# KiCad board ECUGDI.kicad_pcb (continued)
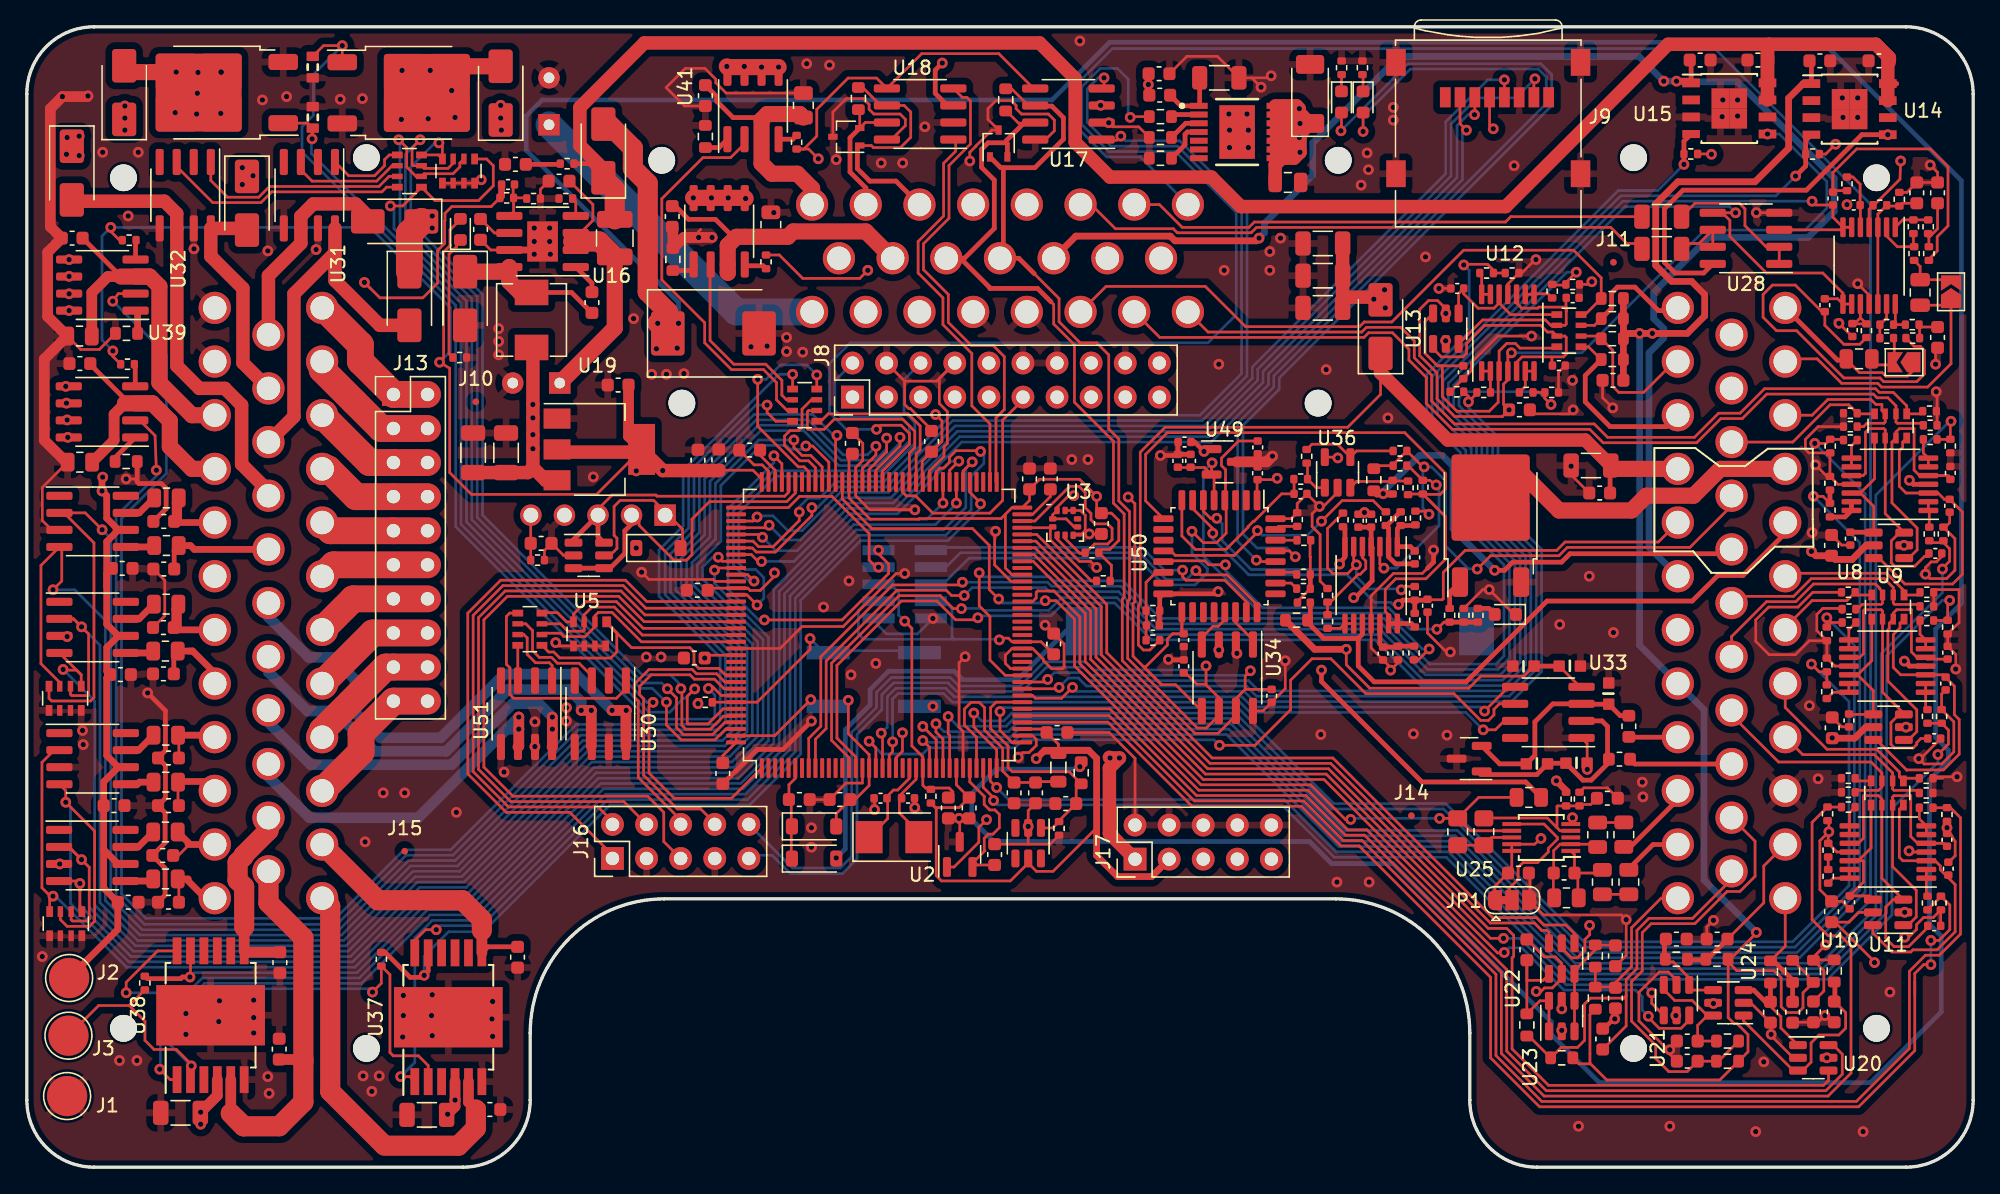
[diagram p0: board, top side]
## Routing (per net, layer and track width the routed paths; a pad name or vN(x,y) marks a point on that pad's centre or on a via; arc(x,y) is an arc through that point) (continued)
/WDO/CAN_RX: length 3.3
  Top w0.2: U34.4 87.53,39.49 88.36,40.31 88.75,40.31 89.25,40.81 U50.21
/WDO/CAN_TX: length 2.9
  Top w0.2: U34.1 91.34,39.3 90.05,40.6 U50.22
/WDO/heater_pwm: length 26.4
  Top w0.2: R24.2 105.58,40.63 v1(105.05,40.1) 105.1,40.05 105.1,39.8 ; v1(89.29,44.9) 88.05,44.9 87.75,45.2 84.74,45.2 84.68,45.14
  Top w0.35: R21.2 R24.2
  Bottom w0.2: v1(105.05,40.1) 103.05,40.1 101.45,41.7 92.07,41.7 89.29,44.48 v1(89.29,44.9)
/WDO/Ip_dac: length 19.1
  Top w0.2: 84.68,45.94 85.23,45.94 85.56,45.6 89.95,45.6 91.68,47.33 v1(91.68,47.45) ; v1(96.45,48.15) 97.99,49.69 100.3,49.69 101.14,48.85 R7.1
  Bottom w0.2: v1(91.68,47.45) 92.03,47.1 95.4,47.1 v1(96.45,48.15)
/WDO/Ip_sense: length 14.3
  Top w0.2: R25.2 94.41,51.27 C23.1 93.48,50.19 91.44,48.15 91.39,48.15 90.98,47.74 90.98,47.69 89.34,46.05 87.05,46.05 86.05,47.05 U50.8
/WDO/LED_BLUE: length 65.7
  Top w0.2: v1(91.6,45.25) 91.71,45.14 U50.28 ; D5.2 v1(99.55,77.2) 99.55,77.35
  Bottom w0.2: 99.5,77.25 v1(99.55,77.2) 99.55,78.33 103.07,81.85 112.61,81.85 113.2,81.26 113.2,79.29 92.9,58.99 92.9,58.16 90.2,55.46 90.2,46.65 v1(91.6,45.25)
/WDO/LED_GREEN: length 69.8
  Top w0.2: 97.94,77.56 97.9,77.52 v1(97.9,77.25) 97.94,77.29 D4.2 ; v1(94.5,45.5) 94.06,45.94 U50.29
  Bottom w0.2: v1(97.9,77.25) 102.9,82.25 112.8,82.25 113.6,81.45 113.6,79.12 93.3,58.82 93.3,57.99 90.6,55.29 90.6,47.2 91.65,46.15 93.85,46.15 v1(94.5,45.5)
/WDO/LSU_Un_sense: length 2.1
  Top w0.2: U35.9 U35.8 97.84,40.17 R27.1
/WDO/Nernst_esr_drive_42: length 1.7
  Top w0.2: U50.26 94.19,43.54 R16.2
/WDO/Nernst_esr_drive_49: length 1.6
  Top w0.2: R15.2 93.03,46.73 U50.30
/WDO/Nernst_esr_drive_adv: length 1.6
  Top w0.2: R17.2 94.45,44.34 U50.27
/WDO/nRESET_1: length 38.8
  Top w0.2: v1(86.8,47.4) 86.8,47.1 ; v1(86.8,47.4) 87.65,46.55 88.64,46.55 89.35,47.26 89.35,49.61 U50.4 89.3,49.76 89.3,51.29 89.3,51.29 89.3,51.99 89,52.3 89,52.85 90.28,54.13 C26.1 ; v1(86.8,47.4) 86.7,47.4
  Bottom w0.2: v1(86.8,47.4) 86.8,45.75 87.95,44.6 87.95,44.32 87.03,43.4 84.72,43.4 82.72,45.4 70.2,45.4 68.25,43.45 J7.5
/WDO/SWCLK_1: length 27.6
  Top w0.2: v1(87.1,44.46) 87.41,44.15 89.41,44.15 91.65,41.91 U50.24 91.65,41.35
  Bottom w0.2: v1(87.1,44.46) 86.8,44.46 86.8,44.21 86.39,43.8 84.88,43.8 82.88,45.8 69.55,45.8 68.47,44.72 J7.3
/WDO/SWDIO_1: length 26.3
  Top w0.2: v1(86.1,44.5) 86.1,44.01 86.36,43.75 89.25,43.75 90.85,42.15 U50.23
  Bottom w0.2: v1(86.1,44.5) 84.75,44.5 83.05,46.2 67.56,46.2 J7.1
/WDO/Un_sense: length 16.9
  Top w0.2: v1(88.65,48.37) 88.18,48.37 87.65,48.9 U50.6
  Top w0.35: R29.2 98.2,47.59 U35.7 98.2,45.5 v1(97.8,44.95) 97.85,45.15
  Bottom w0.2: v1(97.8,44.95) 97.4,44.55 91.2,44.55 89.05,46.7 89.05,47.97 v1(88.65,48.37)
/WDO/Vm: length 50.5
  Top w0.2: R8.2 102.95,50.18 R20.2 ; R8.2 104.03,50.15 105.29,50.15 105.7,50.56 105.7,51.7 102.65,54.75 84.97,54.75 83.35,53.13 83.35,49.66 84.68,48.34 ; R8.2 105.11,49.07 ; U35.13 101.45,41.18 101.2,41.43 101.2,43.07 101.98,43.86 104.23,43.86 105.7,45.33 105.7,48.48 104.39,49.79 ; 103.4,40.27 103.4,40.27
  Top w0.35: U35.13 U35.14 103.14,40.53 103.4,40.27
Net-(BT1-+): length 31.8
  Bottom w0.35: BT1.1 77.41,39.95 73.8,36.34 69.71,36.34 69.07,36.98 64.21,36.98 62.82,35.59 62.82,34.46 60.97,32.61 60.97,23.73 v1(60.3,23.05)
Net-(C19-Pad1): length 4.2
  Top w0.35: C19.1 103.08,46.25 U35.1 102.1,47.58 R9.1 103.4,47.83 R11.2
Net-(C22-Pad2): length 5.3
  Top w0.2: R17.1 95.62,45.48 95.6,45.5 95.6,46.68 R15.1 ; R16.1 94.66,42.17 C22.2
  Top w0.35: 95.62,44 R17.1 R16.1
Net-(C103-Pad1): length 2.9
  Top w0.35: R102.2 39.69,74.75 36.9,74.75
Net-(C131-Pad1): length 4
  Top w0.2: 143.35,65.98 143.18,66.15 C131.1 141.05,67.14 R139.2
Net-(C132-Pad1): length 3.6
  Top w0.2: 139.07,61.65 139.12,61.6 139.12,59.8 137.45,59.8 137.4,59.85
Net-(C133-Pad2): length 3.8
  Top w0.2: 141.7,69.3 141.7,69.54 R143.1 ; 141.7,69.3 142.35,69.95 C133.2 ; 141.7,69.3 R145.2
Net-(C134-Pad2): length 2.6
  Top w0.2: 141.02,61.7 141.01,61.71 141.01,62.76 R144.1 141.15,62.63 C134.2
Net-(C135-Pad1): length 20
  Top w0.2: R147.2 134.66,72.79 C135.1 134.55,74.13 136.32,75.9 141.8,75.9 143.12,74.58 143.12,70.16 142.32,69.35 142.32,68.29 141.7,67.67 R145.1
Net-(C136-Pad1): length 30.5
  Top w0.2: 140,61.7 140,61.6 ; 135.8,61.34 135.5,61.34 ; 135.5,61.34 135.36,61.34 133.95,62.75 C136.1 133.73,63.77 131.75,65.75 130.05,65.75 129.35,65.05 129.35,63.35 130.35,62.35 131.85,62.35 135.37,58.83 138.06,58.83 138.34,58.55 140.8,58.55 141.38,59.13 141.38,60.88 141.07,61.18 140.61,61.18 R146.1 ; 135.5,61.34 136.55,61.34 R148.2
Net-(D3-A): length 1.4
  Top w0.35: R21.1 108.91,41.65 D3.2
Net-(D4-K): length 1.3
  Top w0.2: D4.1 97.94,81.43 R33.2
Net-(D5-K): length 1.3
  Top w0.2: R34.2 99.55,81.39 D5.1
Net-(D17-K): length 7.7
  Top w0.2: U4.6 57.25,28.98 56.78,28.51 56.78,27.33 56.95,27.15 56.95,22.73 57.21,22.46
Net-(D19-K): length 9.2
  Top w0.2: R45.2 31.45,60.64 31.45,68.05 32,68.6 32,69.16
Net-(D24-A): length 11.8
  Top w0.2: U5.5 43.45,45.6 43.96,46.11 43.96,46.89 43.75,47.1 43.75,49.25 44.2,49.7 46.7,49.7 48.85,47.55 48.85,46.35
Net-(D28-K): length 11.7
  Top w0.2: 35.9,67.15 35.94,67.11 35.94,67.1
  Top w0.35: L4.1 40.58,65.2 C109.2
  Top w1.2: L4.1 36.75,65.2 35.94,66.01 35.94,67.1 35.6,66.75 D28.1
Net-(JP1-C): length 10.7
  Top w0.2: U25.6 113.03,25.58 114.03,24.58 114.03,24.44 113.35,23.77 113.35,23.5 112.55,22.7 111.46,22.7 111.1,22.34 111.1,21.46 110.43,20.78 110.43,19.82
Net-(Q1-G): length 2.3
  Top w0.35: Q1.1 106,42.84 R24.1
Net-(R23-Pad1): length 2.8
  Top w0.2: R23.1 95.41,52.42 R25.1 96.05,50.65 U36.1
Net-(R121-Pad1): length 2
  Top w0.2: R121.1 118.96,25.69 R125.2
Net-(R122-Pad1): length 2
  Top w0.2: R126.2 R122.1
Net-(R141-Pad1): length 2.7
  Top w0.2: U27.1 139.75,70.61 R141.1 R143.2
Net-(R142-Pad1): length 2.5
  Top w0.2: R144.2 R142.1 139.2,62.93 U27.14
Net-(RN1-R1.2): length 22.1
  Top w0.2: U7.6 137.8,31.85 140.05,29.6 140.06,29.61 142.79,29.61 143.96,30.79 143.96,33.37 143.6,33.73 143.6,35.85 142.75,36.7 U6.3 139.6,36.7 139.05,37.25 139.05,39.7 139.55,40.2 139.55,40.55 RN1.8
Net-(RN1-R2.2): length 18.6
  Top w0.2: C82.1 141.59,37.87 U6.5 140.81,38 140.4,38.41 140.4,41.55 139.3,41.55 139.05,41.3 RN1.7 138.75,40.55 138.75,40.15 138.65,40.05 138.65,36.24 140.8,34.09 140.8,32.46 140.19,31.85 U7.1
Net-(RN1-R3.2): length 20.3
  Top w0.2: C83.1 141.1,31.95 140.8,31.65 140.8,31.51 140.54,31.25 139.14,31.25 138.88,31.51 138.88,33.14 139.49,33.75 U7.3 139.84,33.82 138.25,35.41 RN1.6 138.25,41.45 138.15,41.55 136.9,41.55 136.83,41.48 136.83,38.28 136.55,38 U6.10
Net-(RN1-R4.2): length 10.5
  Top w0.2: C84.1 135.78,33.75 U7.4 137.56,35.53 136.39,36.7 ; RN1.5 137.45,37.76 136.39,36.7 ; 136.39,36.7 U6.12
Net-(RN2-R1.2): length 22
  Top w0.2: RN2.8 139.75,54.05 139.75,53.65 139.5,53.4 139.5,50.75 140,50.25 U8.3 142.38,50.25 142.85,49.78 C86.1 144.2,48.83 144.2,44.2 143.47,43.47 139.91,43.47 137.98,45.4 U9.6 137.94,45.4
Net-(RN2-R2.2): length 21.5
  Top w0.2: 143.17,51.55 140.97,51.55 ; 139.87,45.28 139.52,45.28 ; 139.52,45.4 U9.1 140.21,45.4 140.83,46.01 140.83,47.64 138.95,49.51 138.95,54.05 RN2.7 139.25,54.8 139.5,55.05 140.6,55.05 140.6,51.96 141.01,51.55 U8.5 143.02,51.55 C87.1 143.5,51.27
Net-(RN2-R3.2): length 21.1
  Top w0.2: U9.3 139.52,47.3 138.9,46.69 138.9,45.05 139.15,44.8 140.65,44.8 141.37,45.52 141.7,45.52 ; U9.3 140.21,47.3 ; U9.3 138.45,48.72 RN2.6 138.45,54.95 138.35,55.05 137.25,55.05 136.97,54.78 136.97,51.73 136.8,51.55 U8.10 135.25,51.55
Net-(RN2-R4.2): length 10.8
  Top w0.2: 136.59,50.25 U8.12 ; 136.59,50.25 137.59,49.25 U9.4 ; 136.59,50.25 137.65,51.31 RN2.5 ; 137.25,47.35 137.42,47.18 137.68,47.18 137.7,47.2
  Top w0.35: C89.1 137.56,47.33 U9.4
Net-(RN3-R1.2): length 20.6
  Top w0.2: RN3.8 139.5,26.69 139.5,23.1 139.76,22.84 U10.3 142.17,22.84 142.55,22.46 142.55,22.17 143.66,21.06 143.66,17.54 142.32,16.2 140.51,16.2 140.36,16.04 138.94,16.04 137.53,17.46 U11.6
Net-(RN3-R2.2): length 18.4
  Top w0.2: 143.1,23.81 142.77,24.14 U10.5 140.86,24.14 140.35,24.65 140.35,27.69 139.1,27.69 139,27.59 RN3.7 139,22.4 140.76,20.64 140.76,18.65 140.15,18.04 U11.1
Net-(RN3-R3.2): length 22
  Top w0.2: C93.1 141.62,17.87 140.19,16.44 139.11,16.44 138.49,17.06 138.49,19.39 139.04,19.94 U11.3 138.2,21.54 RN3.6 138.2,27.44 137.95,27.69 136.85,27.69 136.82,27.67 136.82,24.52 136.45,24.14 U10.10
Net-(RN3-R4.2): length 11.1
  Top w0.2: RN3.5 137.4,23.8 136.44,22.84 U10.12 136.8,22.84 136.82,22.82 136.82,21.25 C94.1 137.25,20.22 U11.4
Net-(RN4-R1.2): length 22.6
  Top w0.2: C97.1 105.1,59.73 ; 105.1,59.73 105.46,59.73 105.46,57.43 106.54,56.35 108.95,56.35 109.62,57.02 109.62,59.27 U12.3 109.69,60.84 110.25,61.4 110.89,61.4 111.24,61.05 113.89,61.05 RN4.8 ; 105.1,59.73 104.16,60.66 104.16,63.04 U13.6
Net-(RN4-R2.2): length 18.8
  Top w0.2: 113.61,60.4 113.61,59.79 C98.1 ; U13.1 104.76,61.01 105.38,60.4 107,60.4 107.26,60.66 107.26,61.4 108.62,62.75 112.79,62.75 113.29,62.25 113.69,62.25 RN4.7 114.59,61.95 114.69,61.85 114.69,60.6 114.49,60.4 111.39,60.4 110.99,59.99 U12.5
Net-(RN4-R3.2): length 15.8
  Top w0.2: U12.10 110.99,64.41 111.37,64.03 112.55,64.03 112.63,64.1 114.53,64.1 114.69,63.95 114.69,63.8 ; 113.88,62.64 RN4.6 ; RN4.6 113.54,62.75 113.14,63.15 108.45,63.15 U13.3 ; RN4.6 114.59,62.75 114.69,62.85 114.69,63.8 ; 114.71,64.75 114.66,64.71 114.66,64.12 114.69,64.1 114.69,63.8
Net-(RN4-R4.2): length 11
  Top w0.2: U13.4 106.66,65.12 C100.1 107.04,65.1 108.12,64.03 109.3,64.03 109.69,64.41 ; 109.69,64.41 U12.12 ; 109.69,64.41 110.54,63.55 RN4.5
Net-(RN6-R1.2): length 2.6
  Top w0.2: 36.58,38.9 36.58,36.29 U51.3
Net-(RN6-R2.2): length 5.3
  Top w0.2: 36.58,39.7 37.03,39.7 37.28,39.45 37.28,38.23 37.9,37.6 38.92,37.6 39.13,37.4 U51.1
Net-(RN6-R3.2): length 8.3
  Top w0.2: 36.58,40.5 37.17,40.5 37.67,40 37.67,38.5 38.17,38 39.09,38 39.53,37.56 41.15,37.56 42.09,36.62 U30.3
Net-(RN6-R4.2): length 16.5
  Top w0.2: 36.58,41.3 35.97,41.3 35.72,41.05 35.72,37.48 35.99,37.22 35.99,35.24 36.28,34.95 43.92,34.95 44.63,35.66 U30.1
Net-(RN8-R1.2): length 18.4
  Top w0.2: RN8.8 26.8,73.05 26.45,72.7 18.24,72.7 17.44,71.9 13.85,71.9 11.17,74.58 U32.3
Net-(RN8-R2.2): length 16.4
  Top w0.2: RN8.7 26.98,73.85 26.23,73.1 18.08,73.1 17.28,72.3 14.95,72.3 13.7,73.55 U32.1
Net-(RN8-R3.2): length 8.6
  Top w0.2: RN8.6 27.22,74.65 26.07,73.5 21.25,73.5 20.42,74.34 20.42,74.93
Net-(RN8-R4.2): length 6
  Top w0.2: RN8.5 27,75.45 26.65,75.1 26.65,74.65 25.9,73.9 23.98,73.9 U31.1
Net-(RN13-R1.2): length 122.1
  Top w0.2: 8.08,55.67 8.42,55.67 9.55,54.53 v1(9.65,51.95) 9.55,52.1 ; RN13.8 55.8,55.6 55.15,56.25 v1(55.15,56.8)
  Bottom w0.2: v1(55.15,56.8) 54.31,56.8 49.3,51.79 49.3,47.64 47.55,45.89 47.55,42.67 52.05,38.17 52.05,33.15 51.5,32.6 41.09,32.6 31.74,23.25 28.26,23.25 23.11,18.1 8.76,18.1 6.65,20.21 6.65,48.53 9.65,51.53 v1(9.65,51.95)
Net-(RN13-R2.2): length 29.7
  Top w0.2: RN13.7 56.65,56.4 55.85,57.2 55.85,58.48 54.88,59.45 52.5,59.45 50.5,61.45 50.5,62.94 47.31,66.14 47.31,72.19 50.37,75.25 52.43,75.25 53.47,76.28 53.47,76.63
Net-(RN13-R3.2): length 14.4
  Top w0.2: U40.2 50.9,67.24 50.9,61.62 52.67,59.85 55.05,59.85 56.25,58.65 56.25,57.55 56.6,57.2 RN13.6 ; 57.05,57.15 57.1,57.1
Net-(RN13-R4.2): length 134.4
  Top w0.2: RN13.5 v1(57.05,59.1) ; 8.1,65.12 6.81,65.12 v1(6.4,64.55) 6.45,64.75
  Bottom w0.2: v1(57.05,59.1) 56.04,59.1 48.9,51.96 48.9,47.8 47.1,46 47.1,42.56 51.65,38.01 51.65,33.31 51.34,33 40.93,33 31.58,23.65 28.1,23.65 23,18.55 8.88,18.55 7.05,20.38 7.05,48.36 10.4,51.71 10.4,60.55 v1(6.4,64.55)
Net-(U1-DEN): length 2.5
  Top w0.35: U1.3 86.33,77.81 85.28,76.76
Net-(U1-GND): length 4.2
  Top w0.35: C1.2 85.97,79.11 U1.1 87.38,79.17 87.38,80.76 87.35,80.79
Net-(U1-IN): length 2.1
  Top w0.35: U1.2 85.43,78.46 85.28,78.31
Net-(U1-IS): length 3.3
  Top w0.35: 85.28,75.21 86.28,76.22 86.28,76.99 86.46,77.16 U1.4
Net-(U2-OUT): length 10.9
  Top w0.2: 70.55,22.78 70.8,22.53 C65.1 ; U4.32 70.25,28.72 71.34,27.63 71.32,27.62 71.32,27.04 71.73,26.63 72.12,26.63 72.45,26.3 72.45,25.3 71.97,24.83 71.63,24.83 71.32,24.52 71.32,23.63 71.37,23.59 70.49,22.7
Net-(U4-PH0): length 7.5
  Top w0.2: 62.81,23.71 62.81,24.54 Y2.1 64.13,25.98 64.13,27.68 64.56,28.11 64.88,28.11 65.75,28.98 U4.23
Net-(U4-PH1): length 7.2
  Top w0.2: 66.51,23.71 66.51,24.89 65,26.4 65,27.7 65.01,27.71 65.04,27.71 66.25,28.92 U4.24
Net-(U4-VCAP_1): length 3.2
  Top w0.2: U4.71 74.93,48.66 76.25,49.98 C72.1
Net-(U4-VCAP_2): length 2.8
  Top w0.2: C73.1 54.62,53.07 55.37,52.33 55.37,52.33 55.75,51.95 U4.106
Net-(U6A--): length 2
  Top w0.2: R57.2 141.46,34.25 U6.1 U6.2
Net-(U6B--): length 2.3
  Top w0.2: U6.6 U6.7 141.04,39.72 R58.2
Net-(U6C--): length 2.2
  Top w0.2: U6.9 U6.8 135.74,40.08 R59.2
Net-(U6D--): length 2.5
  Top w0.2: R60.2 134.57,35.4 U6.14 U6.13
Net-(U8A--): length 1.8
  Top w0.2: 141.73,47.57 141.73,48.7 ; U8.1 U8.2
Net-(U8B--): length 2.2
  Top w0.2: R70.2 141.29,53.22 U8.7 U8.6
Net-(U8C--): length 2.2
  Top w0.2: U8.9 U8.8 135.94,53.78 R71.2
Net-(U8D--): length 2.5
  Top w0.35: U8.13 U8.14 135.46,48.47 R72.2
Net-(U10A--): length 2
  Top w0.2: R81.2 141.51,20.29 U10.1 U10.2
Net-(U10B--): length 2.2
  Top w0.2: R82.2 140.99,25.96 U10.7 U10.6
Net-(U10C--): length 2.2
  Top w0.2: R83.2 135.79,26.42 U10.8 U10.9
Net-(U10D--): length 2.4
  Top w0.2: U10.13 U10.14 134.57,21.54 R84.2
Net-(U12A--): length 2.2
  Top w0.2: U12.1 U12.2 109.04,57.76 R93.2
Net-(U12B--): length 2.4
  Top w0.2: R94.2 111.64,58.2 U12.6 U12.7
Net-(U12C--): length 2.1
  Top w0.2: R95.2 113.33,65.1 112.32,65.1 U12.8 U12.9
Net-(U12D--): length 2.3
  Top w0.2: U12.13 U12.14 108.39,66.58 108.32,66.65 R96.2
Net-(U16-BOOT): length 2.4
  Top w0.35: C109.1 42.1,65.89 U16.1
Net-(U16-EN): length 20
  Top w0.2: U16.3 41.24,69.64 42.17,70.57 42.17,71.76 40.42,73.5
  Top w1.2: C105.1 43.8,62.55 L3.2
  Top w1.5: 40.7,69 42.65,69 L3.2
Net-(U16-FB): length 3.5
  Top w0.2: R105.1 37.19,72.25 R106.1 ; 36.23,73.25 36.23,72.28 R106.1 ; 35.94,70.91 36.26,71.22 R106.1
Net-(U16-RT): length 1.4
  Top w0.2: R103.1 40.89,71.97 U16.4
Net-(U16-SS): length 2.6
  Top w0.2: 33.75,70.63 33.85,70.63 34.84,69.64 35.94,69.64
Net-(U23-IO1): length 11.7
  Top w0.2: 113.4,10.08 113.4,12.35 ; U23.6 112.72,12.4 R118.1 C123.1 111.75,13.93 112.96,13.93 113.4,14.36
Net-(U23-IO2): length 8.6
  Top w0.2: 115.3,10.08 115.3,14.65 116.85,16.2 R120.1 118.31,16.57 C125.1
Net-(U24-IO1): length 15.9
  Top w0.2: 127.47,11.3 U24.1 127.9,10.9 131.6,7.2 132.3,7.2 132.93,7.83 132.93,9.26 133.51,9.85 134.99,9.85 135.5,10.36 135.5,11.53 134.7,12.33
  Top w0.35: 134.8,13.83 134.7,13.73 134.7,12.33
Net-(U24-IO2): length 8.4
  Top w0.2: U20.1 130.68,10.38 130.68,11.22 129.9,11.99 C120.1
  Top w0.35: 130.05,13.77 129.9,13.62 C120.1 129.53,12.33 128.65,13.2 127.47,13.2
Net-(U24-IO3): length 6.5
  Top w0.2: 122.06,15.3 122.65,15.3 123.85,14.1 123.85,13.39 124.04,13.2 U24.4
  Top w0.35: 122,16.86 122,15.44 121.88,15.31
Net-(U24-IO4): length 7.8
  Top w0.2: 121.95,13.39 121.95,13.24 122.76,12.43 124.07,12.43 125.2,11.3 124.47,10.58 C122.1 R117.1
Net-(U25-BIAS): length 11.8
  Top w0.2: 108.55,25.81 108.76,26.03 113.28,26.03 114,25.31 ; 115.59,27.03 115.6,27.04 116.51,27.04 C128.1 ; R132.2 R131.2 114.03,26.93 114,26.89 114,25.31 ; 114,25.31 114.22,25.08 U25.4
Net-(U25-EXT): length 4.3
  Top w0.2: R134.2 R133.1 109.12,24.58 U25.8
Net-(U25-IN+): length 6.3
  Top w0.2: 115.55,20.08 115.55,21.68 C126.2 ; C126.2 115.3,23.3 U25.1 ; C126.2 117.14,21.93 R126.1 117.38,21.75
Net-(U25-IN-): length 7.1
  Top w0.2: 117.06,23.88 117.05,23.86 R125.1 116.81,24.08 U25.2 114.22,24.08 113.75,23.6 C126.1 113.72,21.9 113.72,20.08
Net-(U27A--): length 4
  Top w0.2: R141.2 140.55,68.66 R139.1 139.35,68.61 138.55,69.41 U27.2
Net-(U27B-+): length 4.4
  Top w0.2: R147.1 136.04,73.81 136.58,73.27 C137.2 136.6,71.69 U27.5
Net-(U27C-+): length 3.5
  Top w0.2: 136.6,63.31 136.17,62.88 C138.2 136.02,62.86 R148.1 136.6,63.31 ; 136.6,63.31 U27.10
Net-(U27D--): length 2.9
  Top w0.2: 138.05,61.65 R142.2 138.55,63.3 U27.13
Net-(U28A--): length 11
  Top w0.2: C140.2 124.28,71.85 127.58,71.85 128,71.43 128,70.18 129.58,68.6 U28.2 U28.1
Net-(U28B--): length 3.9
  Top w0.2: U28.7 U28.6 124.58,68.85 123.4,68.85
Net-(U33-T+): length 15.5
  Top w0.35: 108.07,31.41 108.38,31.41 109.72,30.06 C13.2 112.35,30.7 112.35,33.2 113.69,34.54 U33.3 115.85,34.51 C14.2 118.71,33.65 L1.2
Net-(U33-T-): length 16.1
  Top w0.35: 108.07,29.51 108.32,29.26 112.49,29.26 C13.1 113.34,30.11 C12.2 115.92,28.85 116.55,28.85 117.86,30.17 L2.2 117.76,30.51 117.76,32.85 117.35,33.27 115.82,33.27
Net-(U35A-+): length 13.3
  Top w0.2: v1(101.1,44.65) 100.8,44.95 U35.3 ; R10.2 102.91,52.29 R8.1 104.5,51.2 v1(105,50.85) 104.75,50.95
  Bottom w0.2: v1(105,50.85) 105.2,50.65 105.2,47.8 102.05,44.65 v1(101.1,44.65)
Net-(U35A--): length 6.1
  Top w0.35: C19.2 101.97,44.97 101.45,45.49 U35.2 101.45,47.63 R7.2 101.31,47.83 102.33,48.85 R9.2
Net-(U35B-+): length 6.6
  Top w0.2: U35.5 99.5,45.44 99.75,45.19 99.75,44.61 99.34,44.2 99.2,44.2 97.12,42.12 R28.1 R27.2
Net-(U35B--): length 14.3
  Top w0.2: v1(102.4,43.03) 102.65,43.29 R26.2 ; U35.6 98.85,45.1 v1(99.05,44.9) 98.4,44.25 97.3,44.25 96.9,44.65 96.9,47.61 R29.1
  Bottom w0.2: v1(99.05,44.9) 99.05,44.02 99.97,43.1 102.33,43.1 v1(102.4,43.03)
Net-(U35D-+): length 4.2
  Top w0.35: R5.2 103.34,38.84 102.15,38.84 102.08,38.77 C17.1 100.8,39 U35.12
Net-(U36-+): length 4.5
  Top w0.2: R20.1 101.8,51.15 R19.1 101.66,51.11 99.06,51.11 U36.3
Net-(U36--): length 7.2
  Top w0.2: R23.2 95.74,53.89 97.64,53.89 U36.4 99.06,53.39 R18.1
Net-(U39-GND): length 1.8
  Top w0.5: U39.1 8.25,63.7 R152.1
Net-(U39-ST): length 1.5
  Top w0.35: 8.1,67.66 8.1,69.07 R151.1
Net-(U40-GND): length 1.8
  Top w0.35: R155.1 49.48,66.84 49.83,67.19
Net-(U40-ST): length 1.5
  Top w0.35: 53.64,67.19 54.86,67.19 R154.1
Net-(U41-GND): length 1.9
  Top w0.35: 52.19,76.63 51.57,76 R158.1
Net-(U41-ST): length 1.5
  Top w0.35: R157.1 57.06,76.63 56,76.63
Net-(U42-GND): length 2.4
  Top w0.35: 8.08,54.4 6.58,52.9 R161.1
Net-(U42-ST): length 1.7
  Top w0.35: 8.08,58.21 8.08,59.79 R160.1
Net-(U43-OUT_A): length 2.6
  Top w0.5: R163.2 8.37,48.77 U43.7
Net-(U43-OUT_B): length 2.2
  Top w0.35: 9.38,46.23 R164.2
  Top w0.5: U43.5 9.38,46.23
Net-(U44-OUT_A): length 2.5
  Top w0.5: U44.7 8.36,40.87 R165.2
Net-(U44-OUT_B): length 2.1
  Top w0.35: 9.27,38.33 R166.2
  Top w0.5: U44.5 9.27,38.33
Net-(U47-OUT_A): length 2.5
  Top w0.5: U47.7 8.32,31.09 R171.2
Net-(U47-OUT_B): length 2.1
  Top w0.5: R172.2 8.4,28.7 8.25,28.55 U47.5
Net-(U48-OUT_A): length 2.5
  Top w0.5: R173.2 8.3,23.87 U48.7
Net-(U48-OUT_B): length 2.1
  Top w0.5: R174.2 9.26,21.33 U48.5
Net-(U50-PB0): length 5.9
  Top w0.2: 84.68,44.34 84.12,44.34 83.38,43.59 R31.1 83.41,41.46 C24.1 83.38,40.36 R30.2

## Copper pours and planes (outline as drawn; the poured copper is in the pictures)
GND on Top: -0.85,86.1 145.7,86.15 145.7,-1.35 105.55,-1.25 105.1,12.2 102.1,17.45 46.8,18.25 39.7,14 38.3,-1 -1.15,-0.95
GND on Bottom: -0.9,86.05 145.75,86.15 145.7,-1.3 105.65,-0.9 105.6,12.15 102.05,17.55 46.5,18.4 39.5,14 38.2,-1.05 -1.1,-0.9
GND on In1.GND: -1,86.05 145.65,86 145.55,-1 108.7,-0.9 105.55,-0.9 105.5,12.45 102.1,17.5 46.95,18.3 40,14.4 38.15,-0.85 -1.05,-0.7
GND on In2.PWR: -0.85,86.1 145.55,86.2 145.75,-1.1 105.35,-1 105.3,12.55 102.25,17.35 46.6,18.4 39.9,14.6 37.95,-0.85 -1.05,-0.8
